# KiCad board NoU2-panelized.kicad_pcb (continued)
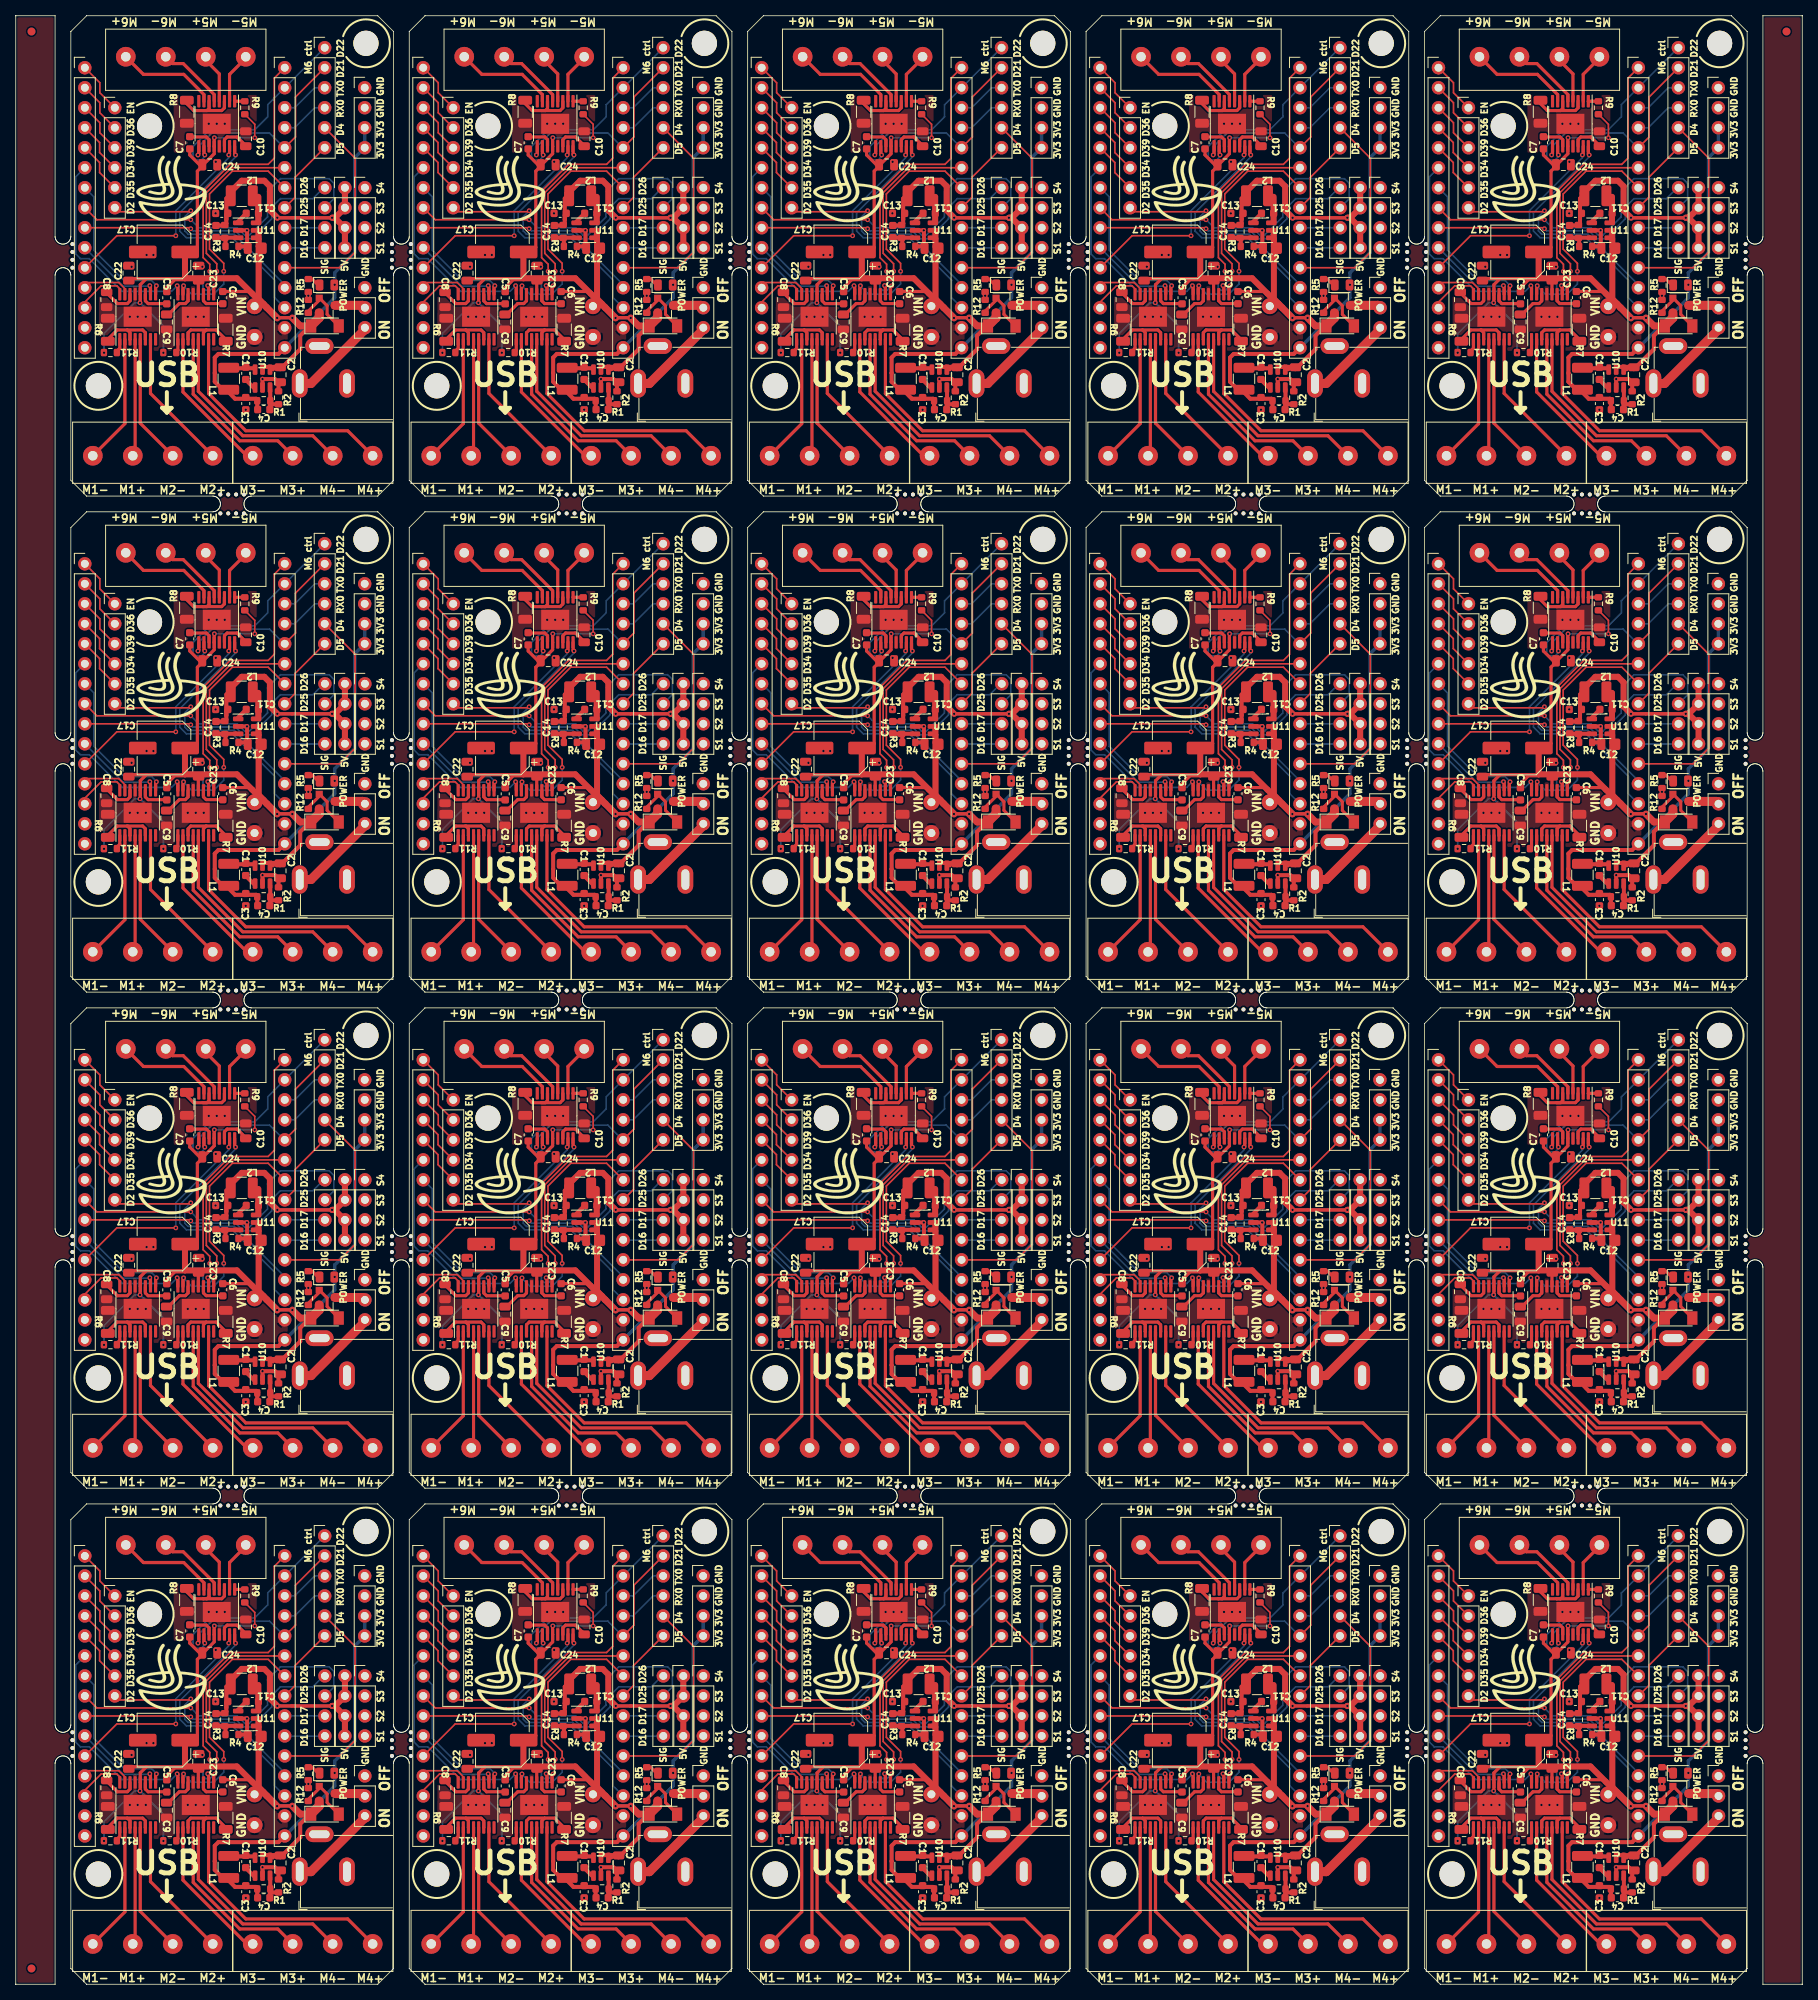
[diagram p0: board, top side]
## Placement (name value [footprint] x y rotation side) (continued)
R3#4  100K  [R_0603_1608Metric]  26.56 159.61 270 top
R3#5  100K  [R_0603_1608Metric]  198.56 159.61 270 top
R3#6  100K  [R_0603_1608Metric]  198.56 33.61 270 top
R3#7  100K  [R_0603_1608Metric]  155.56 33.61 270 top
R3#8  100K  [R_0603_1608Metric]  198.56 222.61 270 top
R3#9  100K  [R_0603_1608Metric]  155.56 96.61 270 top
R3#10  100K  [R_0603_1608Metric]  112.56 33.61 270 top
R3#11  100K  [R_0603_1608Metric]  155.56 222.61 270 top
R3#12  100K  [R_0603_1608Metric]  69.56 222.61 270 top
R3#13  100K  [R_0603_1608Metric]  69.56 159.61 270 top
R3#14  100K  [R_0603_1608Metric]  112.56 222.61 270 top
R3#15  100K  [R_0603_1608Metric]  26.56 222.61 270 top
R3#16  100K  [R_0603_1608Metric]  26.56 33.61 270 top
R3#17  100K  [R_0603_1608Metric]  155.56 159.61 270 top
R3#18  100K  [R_0603_1608Metric]  112.56 96.61 270 top
R3#19  100K  [R_0603_1608Metric]  26.56 96.61 270 top
R3#20  100K  [R_0603_1608Metric]  198.56 96.61 270 top
R4  13K  [R_0603_1608Metric]  27.47 31.71 0 top
R4#2  13K  [R_0603_1608Metric]  27.47 94.71 0 top
R4#3  13K  [R_0603_1608Metric]  70.47 220.71 0 top
R4#4  13K  [R_0603_1608Metric]  113.47 94.71 0 top
R4#5  13K  [R_0603_1608Metric]  113.47 220.71 0 top
R4#6  13K  [R_0603_1608Metric]  199.47 157.71 0 top
R4#7  13K  [R_0603_1608Metric]  199.47 31.71 0 top
R4#8  13K  [R_0603_1608Metric]  113.47 157.71 0 top
R4#9  13K  [R_0603_1608Metric]  113.47 31.71 0 top
R4#10  13K  [R_0603_1608Metric]  156.47 94.71 0 top
R4#11  13K  [R_0603_1608Metric]  199.47 94.71 0 top
R4#12  13K  [R_0603_1608Metric]  199.47 220.71 0 top
R4#13  13K  [R_0603_1608Metric]  27.47 220.71 0 top
R4#14  13K  [R_0603_1608Metric]  70.47 157.71 0 top
R4#15  13K  [R_0603_1608Metric]  156.47 31.71 0 top
R4#16  13K  [R_0603_1608Metric]  70.47 94.71 0 top
R4#17  13K  [R_0603_1608Metric]  156.47 157.71 0 top
R4#18  13K  [R_0603_1608Metric]  27.47 157.71 0 top
R4#19  13K  [R_0603_1608Metric]  70.47 31.71 0 top
R4#20  13K  [R_0603_1608Metric]  156.47 220.71 0 top
R5  1K  [R_0603_1608Metric]  37.18 26.74 90 top
R5#2  1K  [R_0603_1608Metric]  37.18 152.74 90 top
R5#3  1K  [R_0603_1608Metric]  209.18 215.74 90 top
R5#4  1K  [R_0603_1608Metric]  37.18 215.74 90 top
R5#5  1K  [R_0603_1608Metric]  80.18 215.74 90 top
R5#6  1K  [R_0603_1608Metric]  209.18 152.74 90 top
R5#7  1K  [R_0603_1608Metric]  123.18 215.74 90 top
R5#8  1K  [R_0603_1608Metric]  80.18 26.74 90 top
R5#9  1K  [R_0603_1608Metric]  123.18 89.74 90 top
R5#10  1K  [R_0603_1608Metric]  80.18 89.74 90 top
R5#11  1K  [R_0603_1608Metric]  80.18 152.74 90 top
R5#12  1K  [R_0603_1608Metric]  123.18 26.74 90 top
R5#13  1K  [R_0603_1608Metric]  166.18 215.74 90 top
R5#14  1K  [R_0603_1608Metric]  209.18 89.74 90 top
R5#15  1K  [R_0603_1608Metric]  166.18 152.74 90 top
R5#16  1K  [R_0603_1608Metric]  123.18 152.74 90 top
R5#17  1K  [R_0603_1608Metric]  209.18 26.74 90 top
R5#18  1K  [R_0603_1608Metric]  37.18 89.74 90 top
R5#19  1K  [R_0603_1608Metric]  166.18 89.74 90 top
R5#20  1K  [R_0603_1608Metric]  166.18 26.74 90 top
R6  0.1  [R_1206_3216Metric]  140.7 147.12 270 top
R6#2  0.1  [R_1206_3216Metric]  54.7 21.12 270 top
R6#3  0.1  [R_1206_3216Metric]  54.7 147.12 270 top
R6#4  0.1  [R_1206_3216Metric]  54.7 210.12 270 top
R6#5  0.1  [R_1206_3216Metric]  11.7 21.12 270 top
R6#6  0.1  [R_1206_3216Metric]  140.7 21.12 270 top
R6#7  0.1  [R_1206_3216Metric]  140.7 210.12 270 top
R6#8  0.1  [R_1206_3216Metric]  183.7 147.12 270 top
R6#9  0.1  [R_1206_3216Metric]  97.7 210.12 270 top
R6#10  0.1  [R_1206_3216Metric]  97.7 147.12 270 top
R6#11  0.1  [R_1206_3216Metric]  11.7 210.12 270 top
R6#12  0.1  [R_1206_3216Metric]  183.7 21.12 270 top
R6#13  0.1  [R_1206_3216Metric]  97.7 84.12 270 top
R6#14  0.1  [R_1206_3216Metric]  140.7 84.12 270 top
R6#15  0.1  [R_1206_3216Metric]  183.7 210.12 270 top
R6#16  0.1  [R_1206_3216Metric]  54.7 84.12 270 top
R6#17  0.1  [R_1206_3216Metric]  97.7 21.12 270 top
R6#18  0.1  [R_1206_3216Metric]  11.7 147.12 270 top
R6#19  0.1  [R_1206_3216Metric]  11.7 84.12 270 top
R6#20  0.1  [R_1206_3216Metric]  183.7 84.12 270 top
R7  0.1  [R_1206_3216Metric]  155.69 21.12 270 top
R7#2  0.1  [R_1206_3216Metric]  26.69 210.12 270 top
R7#3  0.1  [R_1206_3216Metric]  112.69 84.12 270 top
R7#4  0.1  [R_1206_3216Metric]  112.69 147.12 270 top
R7#5  0.1  [R_1206_3216Metric]  26.69 21.12 270 top
R7#6  0.1  [R_1206_3216Metric]  26.69 147.12 270 top
R7#7  0.1  [R_1206_3216Metric]  112.69 210.12 270 top
R7#8  0.1  [R_1206_3216Metric]  69.69 147.12 270 top
R7#9  0.1  [R_1206_3216Metric]  26.69 84.12 270 top
R7#10  0.1  [R_1206_3216Metric]  155.69 210.12 270 top
R7#11  0.1  [R_1206_3216Metric]  69.69 21.12 270 top
R7#12  0.1  [R_1206_3216Metric]  112.69 21.12 270 top
R7#13  0.1  [R_1206_3216Metric]  198.69 84.12 270 top
R7#14  0.1  [R_1206_3216Metric]  155.69 84.12 270 top
R7#15  0.1  [R_1206_3216Metric]  198.69 21.12 270 top
R7#16  0.1  [R_1206_3216Metric]  69.69 84.12 270 top
R7#17  0.1  [R_1206_3216Metric]  198.69 147.12 270 top
R7#18  0.1  [R_1206_3216Metric]  155.69 147.12 270 top
R7#19  0.1  [R_1206_3216Metric]  69.69 210.12 270 top
R7#20  0.1  [R_1206_3216Metric]  198.69 210.12 270 top
R8  0.1  [R_1206_3216Metric]  107.73 237.81 90 top
R8#2  0.1  [R_1206_3216Metric]  64.73 111.81 90 top
R8#3  0.1  [R_1206_3216Metric]  21.73 48.81 90 top
R8#4  0.1  [R_1206_3216Metric]  150.73 111.81 90 top
R8#5  0.1  [R_1206_3216Metric]  64.73 174.81 90 top
R8#6  0.1  [R_1206_3216Metric]  193.73 48.81 90 top
R8#7  0.1  [R_1206_3216Metric]  21.73 237.81 90 top
R8#8  0.1  [R_1206_3216Metric]  107.73 174.81 90 top
R8#9  0.1  [R_1206_3216Metric]  193.73 174.81 90 top
R8#10  0.1  [R_1206_3216Metric]  193.73 111.81 90 top
R8#11  0.1  [R_1206_3216Metric]  107.73 111.81 90 top
R8#12  0.1  [R_1206_3216Metric]  150.73 48.81 90 top
R8#13  0.1  [R_1206_3216Metric]  107.73 48.81 90 top
R8#14  0.1  [R_1206_3216Metric]  150.73 237.81 90 top
R8#15  0.1  [R_1206_3216Metric]  21.73 174.81 90 top
R8#16  0.1  [R_1206_3216Metric]  193.73 237.81 90 top
R8#17  0.1  [R_1206_3216Metric]  150.73 174.81 90 top
R8#18  0.1  [R_1206_3216Metric]  64.73 237.81 90 top
R8#19  0.1  [R_1206_3216Metric]  21.73 111.81 90 top
R8#20  0.1  [R_1206_3216Metric]  64.73 48.81 90 top
R9  22K  [R_0603_1608Metric]  72.1 112.32 270 top
R9#2  22K  [R_0603_1608Metric]  115.1 49.32 270 top
R9#3  22K  [R_0603_1608Metric]  29.1 238.32 270 top
R9#4  22K  [R_0603_1608Metric]  115.1 238.32 270 top
R9#5  22K  [R_0603_1608Metric]  201.1 175.32 270 top
R9#6  22K  [R_0603_1608Metric]  29.1 175.32 270 top
R9#7  22K  [R_0603_1608Metric]  115.1 112.32 270 top
R9#8  22K  [R_0603_1608Metric]  158.1 175.32 270 top
R9#9  22K  [R_0603_1608Metric]  72.1 238.32 270 top
R9#10  22K  [R_0603_1608Metric]  29.1 112.32 270 top
R9#11  22K  [R_0603_1608Metric]  72.1 49.32 270 top
R9#12  22K  [R_0603_1608Metric]  158.1 238.32 270 top
R9#13  22K  [R_0603_1608Metric]  115.1 175.32 270 top
R9#14  22K  [R_0603_1608Metric]  29.1 49.32 270 top
R9#15  22K  [R_0603_1608Metric]  158.1 112.32 270 top
R9#16  22K  [R_0603_1608Metric]  158.1 49.32 270 top
R9#17  22K  [R_0603_1608Metric]  72.1 175.32 270 top
R9#18  22K  [R_0603_1608Metric]  201.1 49.32 270 top
R9#19  22K  [R_0603_1608Metric]  201.1 238.32 270 top
R9#20  22K  [R_0603_1608Metric]  201.1 112.32 270 top
R10  22K  [R_0603_1608Metric]  191.57 207.23 180 top
R10#2  22K  [R_0603_1608Metric]  148.57 81.23 180 top
R10#3  22K  [R_0603_1608Metric]  148.57 144.23 180 top
R10#4  22K  [R_0603_1608Metric]  191.57 144.23 180 top
R10#5  22K  [R_0603_1608Metric]  148.57 18.23 180 top
R10#6  22K  [R_0603_1608Metric]  105.57 207.23 180 top
R10#7  22K  [R_0603_1608Metric]  62.57 18.23 180 top
R10#8  22K  [R_0603_1608Metric]  62.57 81.23 180 top
R10#9  22K  [R_0603_1608Metric]  191.57 81.23 180 top
R10#10  22K  [R_0603_1608Metric]  191.57 18.23 180 top
R10#11  22K  [R_0603_1608Metric]  62.57 144.23 180 top
R10#12  22K  [R_0603_1608Metric]  105.57 81.23 180 top
R10#13  22K  [R_0603_1608Metric]  19.57 144.23 180 top
R10#14  22K  [R_0603_1608Metric]  19.57 81.23 180 top
R10#15  22K  [R_0603_1608Metric]  148.57 207.23 180 top
R10#16  22K  [R_0603_1608Metric]  62.57 207.23 180 top
R10#17  22K  [R_0603_1608Metric]  19.57 207.23 180 top
R10#18  22K  [R_0603_1608Metric]  105.57 144.23 180 top
R10#19  22K  [R_0603_1608Metric]  105.57 18.23 180 top
R10#20  22K  [R_0603_1608Metric]  19.57 18.23 180 top
R11  22K  [R_0603_1608Metric]  55.03 207.23 180 top
R11#2  22K  [R_0603_1608Metric]  55.03 81.23 180 top
R11#3  22K  [R_0603_1608Metric]  141.03 18.23 180 top
R11#4  22K  [R_0603_1608Metric]  55.03 18.23 180 top
R11#5  22K  [R_0603_1608Metric]  184.03 207.23 180 top
R11#6  22K  [R_0603_1608Metric]  141.03 207.23 180 top
R11#7  22K  [R_0603_1608Metric]  98.03 144.23 180 top
R11#8  22K  [R_0603_1608Metric]  141.03 81.23 180 top
R11#9  22K  [R_0603_1608Metric]  12.03 81.23 180 top
R11#10  22K  [R_0603_1608Metric]  12.03 18.23 180 top
R11#11  22K  [R_0603_1608Metric]  184.03 144.23 180 top
R11#12  22K  [R_0603_1608Metric]  55.03 144.23 180 top
R11#13  22K  [R_0603_1608Metric]  184.03 81.23 180 top
R11#14  22K  [R_0603_1608Metric]  184.03 18.23 180 top
R11#15  22K  [R_0603_1608Metric]  141.03 144.23 180 top
R11#16  22K  [R_0603_1608Metric]  12.03 207.23 180 top
R11#17  22K  [R_0603_1608Metric]  12.03 144.23 180 top
R11#18  22K  [R_0603_1608Metric]  98.03 207.23 180 top
R11#19  22K  [R_0603_1608Metric]  98.03 81.23 180 top
R11#20  22K  [R_0603_1608Metric]  98.03 18.23 180 top
R12  10K  [R_0603_1608Metric]  209.18 150.09 90 top
R12#2  10K  [R_0603_1608Metric]  123.18 150.09 90 top
R12#3  10K  [R_0603_1608Metric]  80.18 24.09 90 top
R12#4  10K  [R_0603_1608Metric]  80.18 213.09 90 top
R12#5  10K  [R_0603_1608Metric]  80.18 150.09 90 top
R12#6  10K  [R_0603_1608Metric]  209.18 213.09 90 top
R12#7  10K  [R_0603_1608Metric]  80.18 87.09 90 top
R12#8  10K  [R_0603_1608Metric]  123.18 213.09 90 top
R12#9  10K  [R_0603_1608Metric]  209.18 87.09 90 top
R12#10  10K  [R_0603_1608Metric]  37.18 87.09 90 top
R12#11  10K  [R_0603_1608Metric]  166.18 150.09 90 top
R12#12  10K  [R_0603_1608Metric]  166.18 213.09 90 top
R12#13  10K  [R_0603_1608Metric]  166.18 87.09 90 top
R12#14  10K  [R_0603_1608Metric]  37.18 24.09 90 top
R12#15  10K  [R_0603_1608Metric]  123.18 24.09 90 top
R12#16  10K  [R_0603_1608Metric]  166.18 24.09 90 top
R12#17  10K  [R_0603_1608Metric]  37.18 150.09 90 top
R12#18  10K  [R_0603_1608Metric]  37.18 213.09 90 top
R12#19  10K  [R_0603_1608Metric]  123.18 87.09 90 top
R12#20  10K  [R_0603_1608Metric]  209.18 24.09 90 top
REF**  -  [NPTH]  179.2 29 0 top
REF**#2  -  [NPTH]  47.8 29 0 top
REF**#3  -  [NPTH]  176.8 32 0 top
REF**#4  -  [MountingHole_3.2mm_M3]  146 47 0 top
REF**#5  -  [NPTH]  27 126.2 0 top
REF**#6  -  [MountingHole_3.2mm_M3]  87.5 183.5 0 top
REF**#7  -  [NPTH]  47.8 94 0 top
REF**#8  -  [NPTH]  69 126.2 0 top
REF**#9  -  [NPTH]  7.2 219 0 top
REF**#10  -  [NPTH]  179.2 218 0 top
REF**#11  -  [MountingHole_3.2mm_M3]  53.5 140 0 top
REF**#12  -  [NPTH]  47.8 158 0 top
REF**#13  -  [MountingHole_3.2mm_M3]  173.5 183.5 0 top
REF**#14  -  [MountingHole_3.2mm_M3]  17 236 0 top
REF**#15  -  [NPTH]  179.2 158 0 top
REF**#16  -  [NPTH]  50.2 158 0 top
REF**#17  -  [NPTH]  114 60.8 0 top
REF**#18  -  [NPTH]  90.8 30 0 top
REF**#19  -  [NPTH]  176.8 221 0 top
REF**#20  -  [NPTH]  47.8 93 0 top
REF**#21  -  [MountingHole_3.2mm_M3]  17 110 0 top
REF**#22  -  [NPTH]  26 189.2 0 top
REF**#23  -  [MountingHole_3.2mm_M3]  60 110 0 top
REF**#24  -  [MountingHole_3.2mm_M3]  216.5 120.5 0 top
REF**#25  -  [MountingHole_3.2mm_M3]  173.5 57.5 0 top
REF**#26  -  [NPTH]  136.2 218 0 top
REF**#27  -  [NPTH]  201 123.8 0 top
REF**#28  -  [MountingHole_3.2mm_M3]  53.5 77 0 top
REF**#29  -  [NPTH]  199 126.2 0 top
REF**#30  -  [NPTH]  26 123.8 0 top
REF**#31  -  [NPTH]  26 60.8 0 top
REF**#32  -  [NPTH]  93.2 92 0 top
REF**#33  -  [Fiducial]  2 248 0 top
REF**#34  -  [NPTH]  155 186.8 0 top
REF**#35  -  [NPTH]  47.8 218 0 top
REF**#36  -  [NPTH]  198 126.2 0 top
REF**#37  -  [NPTH]  50.2 30 0 top
REF**#38  -  [NPTH]  93.2 94 0 top
REF**#39  -  [NPTH]  93.2 93 0 top
REF**#40  -  [NPTH]  114 123.8 0 top
REF**#41  -  [NPTH]  7.2 93 0 top
REF**#42  -  [NPTH]  136.2 157 0 top
REF**#43  -  [NPTH]  136.2 158 0 top
REF**#44  -  [NPTH]  176.8 31 0 top
REF**#45  -  [NPTH]  28 123.8 0 top
REF**#46  -  [NPTH]  26 63.2 0 top
REF**#47  -  [NPTH]  69 123.8 0 top
REF**#48  -  [NPTH]  176.8 158 0 top
REF**#49  -  [NPTH]  72 63.2 0 top
REF**#50  -  [NPTH]  219.8 156 0 top
REF**#51  -  [NPTH]  70 186.8 0 top
REF**#52  -  [NPTH]  114 126.2 0 top
REF**#53  -  [NPTH]  115 63.2 0 top
REF**#54  -  [NPTH]  70 123.8 0 top
REF**#55  -  [NPTH]  27 123.8 0 top
REF**#56  -  [NPTH]  136.2 219 0 top
REF**#57  -  [NPTH]  176.8 156 0 top
REF**#58  -  [NPTH]  133.8 93 0 top
REF**#59  -  [NPTH]  28 126.2 0 top
REF**#60  -  [NPTH]  158 60.8 0 top
REF**#61  -  [NPTH]  50.2 95 0 top
REF**#62  -  [NPTH]  71 186.8 0 top
REF**#63  -  [NPTH]  90.8 155 0 top
REF**#64  -  [MountingHole_3.2mm_M3]  130.5 183.5 0 top
REF**#65  -  [MountingHole_3.2mm_M3]  182.5 203 0 top
REF**#66  -  [NPTH]  7.2 155 0 top
REF**#67  -  [NPTH]  113 189.2 0 top
REF**#68  -  [NPTH]  133.8 157 0 top
REF**#69  -  [NPTH]  179.2 92 0 top
REF**#70  -  [NPTH]  179.2 156 0 top
REF**#71  -  [NPTH]  219.8 92 0 top
REF**#72  -  [MountingHole_3.2mm_M3]  103 173 0 top
REF**#73  -  [NPTH]  47.8 157 0 top
REF**#74  -  [NPTH]  90.8 93 0 top
REF**#75  -  [NPTH]  50.2 155 0 top
REF**#76  -  [MountingHole_3.2mm_M3]  182.5 77 0 top
REF**#77  -  [NPTH]  156 123.8 0 top
REF**#78  -  [NPTH]  113 60.8 0 top
REF**#79  -  [NPTH]  136.2 95 0 top
REF**#80  -  [MountingHole_3.2mm_M3]  96.5 14 0 top
REF**#81  -  [NPTH]  155 63.2 0 top
REF**#82  -  [NPTH]  219.8 94 0 top
REF**#83  -  [NPTH]  200 186.8 0 top
REF**#84  -  [MountingHole_3.2mm_M3]  146 110 0 top
REF**#85  -  [NPTH]  113 63.2 0 top
REF**#86  -  [NPTH]  69 63.2 0 top
REF**#87  -  [MountingHole_3.2mm_M3]  60 173 0 top
REF**#88  -  [NPTH]  29 186.8 0 top
REF**#89  -  [NPTH]  115 60.8 0 top
REF**#90  -  [NPTH]  133.8 158 0 top
REF**#91  -  [NPTH]  198 60.8 0 top
REF**#92  -  [MountingHole_3.2mm_M3]  10.5 77 0 top
REF**#93  -  [MountingHole_3.2mm_M3]  103 236 0 top
REF**#94  -  [NPTH]  179.2 31 0 top
REF**#95  -  [NPTH]  156 63.2 0 top
REF**#96  -  [MountingHole_3.2mm_M3]  216.5 183.5 0 top
REF**#97  -  [Fiducial]  225 248 0 top
REF**#98  -  [NPTH]  7.2 31 0 top
REF**#99  -  [MountingHole_3.2mm_M3]  130.5 246.5 0 top
REF**#100  -  [NPTH]  112 186.8 0 top
REF**#101  -  [NPTH]  114 186.8 0 top
REF**#102  -  [NPTH]  201 126.2 0 top
REF**#103  -  [NPTH]  27 189.2 0 top
REF**#104  -  [NPTH]  29 123.8 0 top
REF**#105  -  [MountingHole_3.2mm_M3]  139.5 140 0 top
REF**#106  -  [NPTH]  198 63.2 0 top
REF**#107  -  [NPTH]  50.2 220 0 top
REF**#108  -  [NPTH]  133.8 94 0 top
REF**#109  -  [NPTH]  136.2 156 0 top
REF**#110  -  [MountingHole_3.2mm_M3]  44.5 183.5 0 top
REF**#111  -  [NPTH]  157 123.8 0 top
REF**#112  -  [NPTH]  136.2 32 0 top
REF**#113  -  [NPTH]  26 186.8 0 top
REF**#114  -  [NPTH]  157 126.2 0 top
REF**#115  -  [NPTH]  176.8 93 0 top
REF**#116  -  [NPTH]  93.2 30 0 top
REF**#117  -  [NPTH]  179.2 94 0 top
REF**#118  -  [MountingHole_3.2mm_M3]  96.5 140 0 top
REF**#119  -  [NPTH]  115 126.2 0 top
REF**#120  -  [NPTH]  133.8 220 0 top
REF**#121  -  [NPTH]  136.2 93 0 top
REF**#122  -  [MountingHole_3.2mm_M3]  216.5 246.5 0 top
REF**#123  -  [NPTH]  113 186.8 0 top
REF**#124  -  [NPTH]  72 123.8 0 top
REF**#125  -  [NPTH]  70 189.2 0 top
REF**#126  -  [MountingHole_3.2mm_M3]  87.5 120.5 0 top
REF**#127  -  [NPTH]  29 189.2 0 top
REF**#128  -  [NPTH]  7.2 29 0 top
REF**#129  -  [NPTH]  157 63.2 0 top
REF**#130  -  [MountingHole_3.2mm_M3]  146 236 0 top
REF**#131  -  [MountingHole_3.2mm_M3]  139.5 77 0 top
REF**#132  -  [NPTH]  114 189.2 0 top
REF**#133  -  [NPTH]  47.8 155 0 top
REF**#134  -  [NPTH]  50.2 31 0 top
REF**#135  -  [NPTH]  93.2 218 0 top
REF**#136  -  [NPTH]  133.8 95 0 top
REF**#137  -  [NPTH]  71 123.8 0 top
REF**#138  -  [NPTH]  156 189.2 0 top
REF**#139  -  [NPTH]  176.8 30 0 top
REF**#140  -  [NPTH]  179.2 221 0 top
REF**#141  -  [NPTH]  219.8 155 0 top
REF**#142  -  [NPTH]  29 60.8 0 top
REF**#143  -  [NPTH]  156 60.8 0 top
REF**#144  -  [NPTH]  7.2 92 0 top
REF**#145  -  [NPTH]  27 60.8 0 top
REF**#146  -  [NPTH]  136.2 221 0 top
REF**#147  -  [NPTH]  7.2 94 0 top
REF**#148  -  [NPTH]  133.8 31 0 top
REF**#149  -  [NPTH]  50.2 218 0 top
REF**#150  -  [NPTH]  70 126.2 0 top
REF**#151  -  [NPTH]  7.2 156 0 top
REF**#152  -  [MountingHole_3.2mm_M3]  17 173 0 top
REF**#153  -  [NPTH]  133.8 32 0 top
REF**#154  -  [NPTH]  90.8 31 0 top
REF**#155  -  [NPTH]  93.2 157 0 top
REF**#156  -  [NPTH]  7.2 32 0 top
REF**#157  -  [NPTH]  179.2 32 0 top
REF**#158  -  [NPTH]  72 189.2 0 top
REF**#159  -  [NPTH]  28 63.2 0 top
REF**#160  -  [NPTH]  179.2 157 0 top
REF**#161  -  [MountingHole_3.2mm_M3]  182.5 140 0 top
REF**#162  -  [NPTH]  179.2 220 0 top
REF**#163  -  [NPTH]  7.2 30 0 top
REF**#164  -  [NPTH]  176.8 95 0 top
REF**#165  -  [NPTH]  158 126.2 0 top
REF**#166  -  [NPTH]  71 60.8 0 top
REF**#167  -  [NPTH]  47.8 31 0 top
REF**#168  -  [NPTH]  69 60.8 0 top
REF**#169  -  [NPTH]  176.8 220 0 top
REF**#170  -  [Fiducial]  2 2 0 top
REF**#171  -  [NPTH]  90.8 218 0 top
REF**#172  -  [NPTH]  179.2 219 0 top
REF**#173  -  [NPTH]  7.2 220 0 top
REF**#174  -  [NPTH]  179.2 93 0 top
REF**#175  -  [MountingHole_3.2mm_M3]  103 110 0 top
REF**#176  -  [NPTH]  90.8 219 0 top
REF**#177  -  [NPTH]  112 63.2 0 top
REF**#178  -  [MountingHole_3.2mm_M3]  60 47 0 top
REF**#179  -  [NPTH]  112 123.8 0 top
REF**#180  -  [NPTH]  115 186.8 0 top
REF**#181  -  [NPTH]  219.8 218 0 top
REF**#182  -  [NPTH]  93.2 156 0 top
REF**#183  -  [MountingHole_3.2mm_M3]  173.5 120.5 0 top
REF**#184  -  [NPTH]  29 63.2 0 top
REF**#185  -  [NPTH]  219.8 31 0 top
REF**#186  -  [NPTH]  179.2 95 0 top
REF**#187  -  [NPTH]  47.8 219 0 top
REF**#188  -  [NPTH]  50.2 92 0 top
REF**#189  -  [NPTH]  133.8 155 0 top
REF**#190  -  [NPTH]  47.8 95 0 top
REF**#191  -  [NPTH]  219.8 32 0 top
REF**#192  -  [NPTH]  90.8 158 0 top
REF**#193  -  [NPTH]  158 186.8 0 top
REF**#194  -  [NPTH]  71 189.2 0 top
REF**#195  -  [NPTH]  50.2 32 0 top
REF**#196  -  [NPTH]  50.2 219 0 top
REF**#197  -  [MountingHole_3.2mm_M3]  139.5 14 0 top
REF**#198  -  [NPTH]  27 63.2 0 top
REF**#199  -  [NPTH]  7.2 158 0 top
REF**#200  -  [NPTH]  93.2 95 0 top
REF**#201  -  [MountingHole_3.2mm_M3]  53.5 203 0 top
REF**#202  -  [NPTH]  28 60.8 0 top
REF**#203  -  [NPTH]  113 123.8 0 top
REF**#204  -  [NPTH]  176.8 94 0 top
REF**#205  -  [NPTH]  136.2 31 0 top
REF**#206  -  [NPTH]  136.2 94 0 top
REF**#207  -  [NPTH]  200 63.2 0 top
REF**#208  -  [NPTH]  199 60.8 0 top
REF**#209  -  [NPTH]  90.8 94 0 top
REF**#210  -  [NPTH]  93.2 219 0 top
REF**#211  -  [NPTH]  219.8 157 0 top
REF**#212  -  [NPTH]  113 126.2 0 top
REF**#213  -  [NPTH]  198 123.8 0 top
REF**#214  -  [NPTH]  155 60.8 0 top
REF**#215  -  [NPTH]  136.2 155 0 top
REF**#216  -  [NPTH]  27 186.8 0 top
REF**#217  -  [MountingHole_3.2mm_M3]  96.5 203 0 top
REF**#218  -  [NPTH]  158 63.2 0 top
REF**#219  -  [NPTH]  47.8 221 0 top
REF**#220  -  [MountingHole_3.2mm_M3]  130.5 120.5 0 top
REF**#221  -  [NPTH]  219.8 220 0 top
REF**#222  -  [NPTH]  93.2 31 0 top
REF**#223  -  [NPTH]  112 189.2 0 top
REF**#224  -  [NPTH]  133.8 92 0 top
REF**#225  -  [NPTH]  176.8 157 0 top
REF**#226  -  [NPTH]  155 126.2 0 top
REF**#227  -  [NPTH]  29 126.2 0 top
REF**#228  -  [NPTH]  156 126.2 0 top
REF**#229  -  [NPTH]  47.8 220 0 top
REF**#230  -  [NPTH]  72 126.2 0 top
REF**#231  -  [NPTH]  69 186.8 0 top
REF**#232  -  [MountingHole_3.2mm_M3]  130.5 57.5 0 top
REF**#233  -  [NPTH]  72 186.8 0 top
REF**#234  -  [NPTH]  133.8 30 0 top
REF**#235  -  [NPTH]  179.2 155 0 top
REF**#236  -  [MountingHole_3.2mm_M3]  10.5 140 0 top
REF**#237  -  [NPTH]  50.2 221 0 top
REF**#238  -  [NPTH]  71 126.2 0 top
REF**#239  -  [NPTH]  200 126.2 0 top
REF**#240  -  [NPTH]  201 60.8 0 top
REF**#241  -  [NPTH]  26 126.2 0 top
REF**#242  -  [NPTH]  219.8 221 0 top
REF**#243  -  [MountingHole_3.2mm_M3]  87.5 57.5 0 top
REF**#244  -  [MountingHole_3.2mm_M3]  10.5 14 0 top
REF**#245  -  [MountingHole_3.2mm_M3]  44.5 246.5 0 top
REF**#246  -  [NPTH]  72 60.8 0 top
REF**#247  -  [NPTH]  133.8 219 0 top
REF**#248  -  [NPTH]  176.8 29 0 top
REF**#249  -  [NPTH]  115 189.2 0 top
REF**#250  -  [NPTH]  114 63.2 0 top
REF**#251  -  [NPTH]  93.2 32 0 top
REF**#252  -  [NPTH]  198 186.8 0 top
REF**#253  -  [NPTH]  199 186.8 0 top
REF**#254  -  [MountingHole_3.2mm_M3]  189 236 0 top
REF**#255  -  [NPTH]  157 60.8 0 top
REF**#256  -  [NPTH]  90.8 157 0 top
REF**#257  -  [MountingHole_3.2mm_M3]  17 47 0 top
REF**#258  -  [NPTH]  219.8 29 0 top
REF**#259  -  [MountingHole_3.2mm_M3]  44.5 57.5 0 top
REF**#260  -  [NPTH]  201 186.8 0 top
REF**#261  -  [NPTH]  176.8 219 0 top
REF**#262  -  [NPTH]  93.2 29 0 top
REF**#263  -  [NPTH]  133.8 218 0 top
REF**#264  -  [NPTH]  47.8 30 0 top
REF**#265  -  [NPTH]  70 60.8 0 top
REF**#266  -  [NPTH]  112 126.2 0 top
REF**#267  -  [NPTH]  133.8 221 0 top
REF**#268  -  [MountingHole_3.2mm_M3]  10.5 203 0 top
REF**#269  -  [NPTH]  155 123.8 0 top
REF**#270  -  [MountingHole_3.2mm_M3]  189 110 0 top
REF**#271  -  [NPTH]  199 189.2 0 top
REF**#272  -  [NPTH]  7.2 221 0 top
REF**#273  -  [MountingHole_3.2mm_M3]  53.5 14 0 top
REF**#274  -  [NPTH]  112 60.8 0 top
REF**#275  -  [NPTH]  47.8 156 0 top
REF**#276  -  [NPTH]  200 123.8 0 top
REF**#277  -  [NPTH]  7.2 157 0 top
REF**#278  -  [MountingHole_3.2mm_M3]  146 173 0 top
REF**#279  -  [NPTH]  90.8 32 0 top
REF**#280  -  [NPTH]  90.8 29 0 top
REF**#281  -  [NPTH]  90.8 156 0 top
REF**#282  -  [NPTH]  199 123.8 0 top
REF**#283  -  [NPTH]  50.2 156 0 top
REF**#284  -  [NPTH]  47.8 32 0 top
REF**#285  -  [NPTH]  157 189.2 0 top
REF**#286  -  [NPTH]  133.8 156 0 top
REF**#287  -  [NPTH]  136.2 92 0 top
REF**#288  -  [NPTH]  93.2 221 0 top
REF**#289  -  [NPTH]  90.8 221 0 top
REF**#290  -  [NPTH]  90.8 95 0 top
REF**#291  -  [MountingHole_3.2mm_M3]  44.5 120.5 0 top
REF**#292  -  [NPTH]  176.8 92 0 top
REF**#293  -  [NPTH]  70 63.2 0 top
REF**#294  -  [NPTH]  158 189.2 0 top
REF**#295  -  [NPTH]  7.2 218 0 top
REF**#296  -  [NPTH]  50.2 94 0 top
REF**#297  -  [NPTH]  200 60.8 0 top
REF**#298  -  [NPTH]  219.8 93 0 top
REF**#299  -  [NPTH]  201 189.2 0 top
REF**#300  -  [NPTH]  93.2 158 0 top
REF**#301  -  [MountingHole_3.2mm_M3]  173.5 246.5 0 top
REF**#302  -  [MountingHole_3.2mm_M3]  60 236 0 top
REF**#303  -  [NPTH]  176.8 218 0 top
REF**#304  -  [NPTH]  47.8 92 0 top
REF**#305  -  [NPTH]  158 123.8 0 top
REF**#306  -  [NPTH]  50.2 29 0 top
REF**#307  -  [NPTH]  28 189.2 0 top
REF**#308  -  [NPTH]  50.2 157 0 top
REF**#309  -  [NPTH]  219.8 219 0 top
REF**#310  -  [MountingHole_3.2mm_M3]  139.5 203 0 top
REF**#311  -  [NPTH]  90.8 220 0 top
REF**#312  -  [NPTH]  136.2 30 0 top
REF**#313  -  [NPTH]  133.8 29 0 top
REF**#314  -  [NPTH]  155 189.2 0 top
REF**#315  -  [MountingHole_3.2mm_M3]  216.5 57.5 0 top
REF**#316  -  [NPTH]  219.8 158 0 top
REF**#317  -  [MountingHole_3.2mm_M3]  189 47 0 top
REF**#318  -  [NPTH]  219.8 95 0 top
REF**#319  -  [NPTH]  28 186.8 0 top
REF**#320  -  [NPTH]  157 186.8 0 top
REF**#321  -  [NPTH]  136.2 29 0 top
REF**#322  -  [MountingHole_3.2mm_M3]  182.5 14 0 top
REF**#323  -  [MountingHole_3.2mm_M3]  189 173 0 top
REF**#324  -  [MountingHole_3.2mm_M3]  103 47 0 top
REF**#325  -  [MountingHole_3.2mm_M3]  96.5 77 0 top
REF**#326  -  [NPTH]  219.8 30 0 top
REF**#327  -  [NPTH]  7.2 95 0 top
REF**#328  -  [NPTH]  93.2 220 0 top
REF**#329  -  [NPTH]  201 63.2 0 top
REF**#330  -  [NPTH]  199 63.2 0 top
REF**#331  -  [NPTH]  179.2 30 0 top
REF**#332  -  [NPTH]  50.2 93 0 top
REF**#333  -  [NPTH]  156 186.8 0 top
REF**#334  -  [NPTH]  69 189.2 0 top
REF**#335  -  [NPTH]  71 63.2 0 top
REF**#336  -  [MountingHole_3.2mm_M3]  87.5 246.5 0 top
REF**#337  -  [NPTH]  136.2 220 0 top
REF**#338  -  [NPTH]  90.8 92 0 top
REF**#339  -  [NPTH]  115 123.8 0 top
REF**#340  -  [NPTH]  198 189.2 0 top
REF**#341  -  [NPTH]  93.2 155 0 top
REF**#342  -  [NPTH]  200 189.2 0 top
REF**#343  -  [NPTH]  176.8 155 0 top
REF**#344  -  [Fiducial]  2 2 0 bottom
REF**#345  -  [Fiducial]  225 248 0 bottom
REF**#346  -  [Fiducial]  2 248 0 bottom
U1  -  [HR8833]  187.5 148.77 90 top
U1#2  -  [HR8833]  187.5 22.77 90 top
U1#3  -  [HR8833]  58.5 211.77 90 top
U1#4  -  [HR8833]  144.5 148.77 90 top
U1#5  -  [HR8833]  15.5 22.77 90 top
U1#6  -  [HR8833]  101.5 148.77 90 top
U1#7  -  [HR8833]  101.5 211.77 90 top
U1#8  -  [HR8833]  187.5 85.77 90 top
U1#9  -  [HR8833]  101.5 85.77 90 top
U1#10  -  [HR8833]  15.5 211.77 90 top
U1#11  -  [HR8833]  58.5 148.77 90 top
U1#12  -  [HR8833]  15.5 85.77 90 top
U1#13  -  [HR8833]  15.5 148.77 90 top
U1#14  -  [HR8833]  144.5 22.77 90 top
U1#15  -  [HR8833]  101.5 22.77 90 top
U1#16  -  [HR8833]  144.5 211.77 90 top
U1#17  -  [HR8833]  144.5 85.77 90 top